# Altium PCB qfc.PcbDoc (part 6 of 13) (continued)
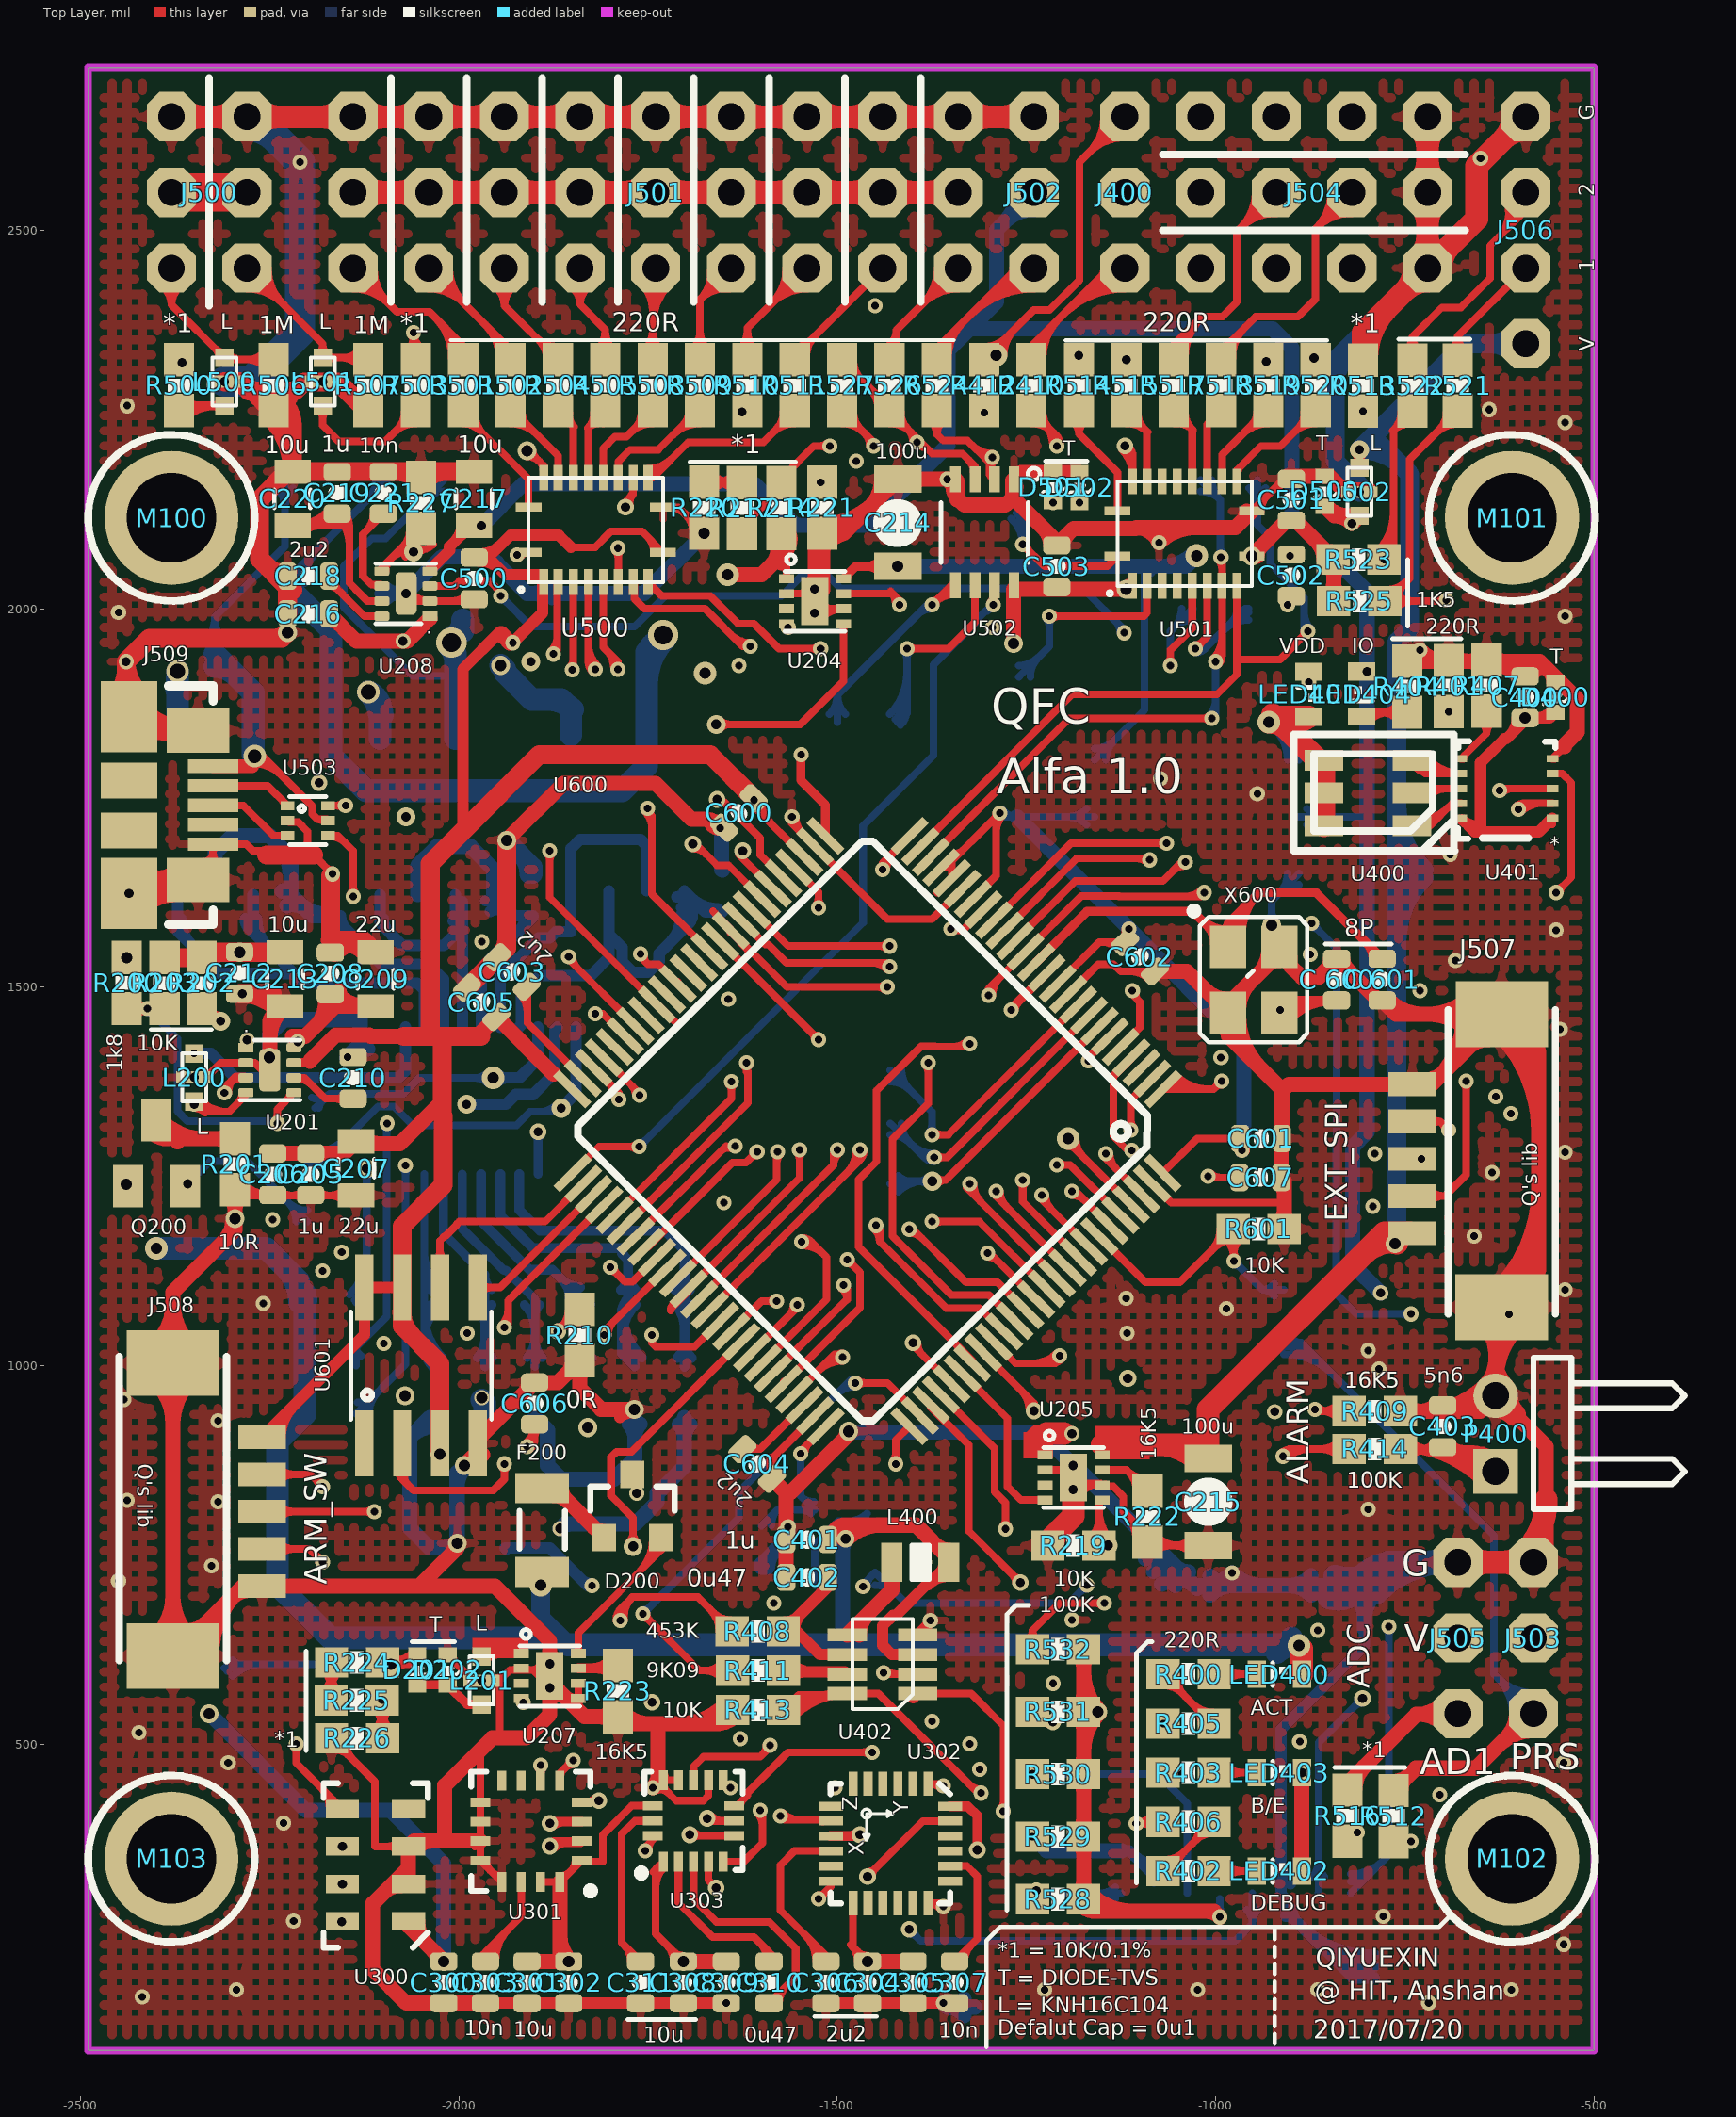
[diagram p0: Top Layer view]
## Nets (pads, with @x,y where several pads share a name; then routed paths per layer and width w, separated by ;. In a path a pad name is that pad's centre, name@x,y a point inside that pad or via, vN(x,y) a via of type N, cw(c..) or ccw(c..) an arc to the next point about the centre after c; other vN are vias at no path point) (continued)
  Mid-Layer 1 w15: v1(-1377,663) -1372,658 -1196,658 v1(-1190,664) ; v1@-1375.23,664.77 ccw(c-1358.89,681.11) -1358.89,658 ; v1@-1375.23,664.77 ccw(c-1358.89,681.11) -1358.89,658 ; v1@-1375.23,664.77 ccw(c-1358.89,681.11) -1358.89,658 ; v1@-1375.23,664.77 ccw(c-1358.89,681.11) -1358.89,658 ; -1210.52,658 ccw(c-1210.52,684.52) v1@-1191.77,665.77 ; -1210.52,658 ccw(c-1210.52,684.52) v1@-1191.77,665.77 ; -1210.52,658 ccw(c-1210.52,684.52) v1@-1191.77,665.77 ; -1210.52,658 ccw(c-1210.52,684.52) v1@-1191.77,665.77
  Mid-Layer 1 w20: v3(-2226.56,1968.44) -2121.56,1968.44 v4(-2070,2020) ; v3(-1768,942) -1514,942 v3(-1485,913) ; v5(-1676,2099.54) -1603.79,2099.54 U204.GND@-1530,2025.75 ; v1(-1646.67,157.44) v1(-1360,157.44) ; -1645,1720 -1335,1720 -1219,1604 -1103.3,1604 -1078.3,1579 v3@-926,1579 ; v1(-901.56,2070) -900.69,2070 -816.69,2154 L502.GND@-810,2154 ; v1(-1655,1710) cw(c-1630.86,1685.86) -1630.86,1720 ; v1(-1655,1710) cw(c-1630.86,1685.86) -1630.86,1720 ; v1(-1655,1710) cw(c-1630.86,1685.86) -1630.86,1720 ; v1(-1655,1710) cw(c-1630.86,1685.86) -1630.86,1720 ; -1572.07,1720 ccw(c-1572.07,1737.07) v1(-1560,1725) ; -1572.07,1720 ccw(c-1572.07,1737.07) v1(-1560,1725) ; -1572.07,1720 ccw(c-1572.07,1737.07) v1(-1560,1725) ; -1572.07,1720 ccw(c-1572.07,1737.07) v1(-1560,1725) ; v1(-1560,1725) ccw(c-1547.93,1737.07) -1547.93,1720 ; v1(-1560,1725) ccw(c-1547.93,1737.07) -1547.93,1720 ; v1(-1560,1725) ccw(c-1547.93,1737.07) -1547.93,1720 ; v1(-1560,1725) ccw(c-1547.93,1737.07) -1547.93,1720 ; -939.28,1579 ccw(c-939.28,1595.28) v3@-927.77,1583.77 ; -939.28,1579 ccw(c-939.28,1595.28) v3@-927.77,1583.77 ; -939.28,1579 ccw(c-939.28,1595.28) v3@-927.77,1583.77 ; -939.28,1579 ccw(c-939.28,1595.28) v3@-927.77,1583.77 ; -818,2152.68 cw(c-810,2144.68) L502.GND@-810,2156 ; -818,2152.68 cw(c-810,2144.68) L502.GND@-810,2156 ; -818,2152.68 cw(c-810,2144.68) L502.GND@-810,2156 ; -818,2152.68 cw(c-810,2144.68) L502.GND@-810,2156
  Mid-Layer 1 w25: v4@-2436,1926 v4(-2436,1623.86) -2418.86,1623.86 v4(-2286.18,1491.18) ; v1(-2167,1649.32) -2123.32,1693 v3@-1938,1693 ; v4@-2436,1626.36 cw(c-2436,1591.01) -2411,1616 ; v4@-2436,1626.36 cw(c-2436,1591.01) -2411,1616 ; v4@-2436,1626.36 cw(c-2436,1591.01) -2411,1616 ; v4@-2436,1626.36 cw(c-2436,1591.01) -2411,1616 ; v4@-2436,1626.36 cw(c-2436,1591.01) -2411,1616 ; v4@-2436,1626.36 cw(c-2436,1591.01) -2411,1616 ; v4@-2436,1626.36 cw(c-2436,1591.01) -2411,1616 ; v4@-2436,1626.36 cw(c-2436,1591.01) -2411,1616
  Mid-Layer 2 w10: v1@-1754,363.37 -1745.87,371.5 ; v1@-1745.87,442 -1745.87,371.5 ; v1@-1757.54,362.54 ccw(c-1785.69,390.69) -1745.87,390.69 ; v1@-1757.54,362.54 ccw(c-1785.69,390.69) -1745.87,390.69 ; v1@-1757.54,362.54 ccw(c-1785.69,390.69) -1745.87,390.69 ; v1@-1757.54,362.54 ccw(c-1785.69,390.69) -1745.87,390.69 ; v1@-1750.46,355.46 ccw(c-1761.55,366.55) -1745.87,366.55 ; v1@-1750.46,355.46 ccw(c-1761.55,366.55) -1745.87,366.55 ; v1@-1750.46,355.46 ccw(c-1761.55,366.55) -1745.87,366.55 ; v1@-1750.46,355.46 ccw(c-1761.55,366.55) -1745.87,366.55 ; v1@-1749.13,360.13 cw(c-1737.26,362.88) -1745.87,371.5 ; v1@-1749.13,360.13 cw(c-1737.26,362.88) -1745.87,371.5 ; v1@-1749.13,360.13 cw(c-1737.26,362.88) -1745.87,371.5 ; -1745.87,425.4 cw(c-1727.4,425.4) v1@-1740.46,438.46 ; -1745.87,425.4 cw(c-1727.4,425.4) v1@-1740.46,438.46 ; -1745.87,425.4 cw(c-1727.4,425.4) v1@-1740.46,438.46 ; -1745.87,425.4 cw(c-1727.4,425.4) v1@-1740.46,438.46
  Mid-Layer 2 w15: v1(-1360,157.44) v1(-1360,285) v1(-1360,444.63) ; v1(-1190,664) -1194.5,668.5 -1194.5,829.84 U205.GND@-1188.19,836.16 ; -1194.5,680.9 ccw(c-1173.1,680.9) v1@-1188.23,665.77 ; -1194.5,680.9 ccw(c-1173.1,680.9) v1@-1188.23,665.77 ; -1194.5,680.9 ccw(c-1173.1,680.9) v1@-1188.23,665.77 ; -1194.5,680.9 ccw(c-1173.1,680.9) v1@-1188.23,665.77 ; -1194.5,817.3 cw(c-1169.33,817.3) U205.GND@-1187.13,835.09 ; -1194.5,817.3 cw(c-1169.33,817.3) U205.GND@-1187.13,835.09 ; -1194.5,817.3 cw(c-1169.33,817.3) U205.GND@-1187.13,835.09 ; -1194.5,817.3 cw(c-1169.33,817.3) U205.GND@-1187.13,835.09
  Mid-Layer 2 w20: v3(-2296,1194) -2296,1316 -2269,1343 -2269,1388.66 v3(-2250.5,1407.16) ; v1(-1355,2170.88) -1355,2210 v1(-1305.93,2259.07) ; L502.GND@-810,2154 -730,2074 v1(-730,1945)
  Bottom Layer w10: GND..P$1@-1090,2110 -1090,2102 v1(-1075,2087) ; v3(-926,1582) -926,1614 GND.P$1@-890,1650 ; GND..P$1@-1083.54,2095.54 cw(c-1092.07,2087) v1@-1080,2087 ; GND..P$1@-1083.54,2095.54 ccw(c-1075,2104.07) v1@-1075,2092 ; GND..P$1@-1083.54,2095.54 cw(c-1092.07,2087) v1@-1080,2087 ; GND..P$1@-1083.54,2095.54 ccw(c-1075,2104.07) v1@-1075,2092 ; GND..P$1@-1083.54,2095.54 cw(c-1092.07,2087) v1@-1080,2087 ; GND..P$1@-1083.54,2095.54 ccw(c-1075,2104.07) v1@-1075,2092 ; GND..P$1@-1083.54,2095.54 cw(c-1092.07,2087) v1@-1080,2087 ; GND..P$1@-1083.54,2095.54 ccw(c-1075,2104.07) v1@-1075,2092 ; v3@-931.3,1587.3 ccw(c-944.11,1600.11) -926,1600.11 ; v3@-931.3,1587.3 ccw(c-944.11,1600.11) -926,1600.11 ; v3@-931.3,1587.3 ccw(c-944.11,1600.11) -926,1600.11 ; v3@-931.3,1587.3 ccw(c-944.11,1600.11) -926,1600.11 ; -926,1600.11 ccw(c-907.89,1600.11) v3@-920.7,1587.3 ; -926,1600.11 ccw(c-907.89,1600.11) v3@-920.7,1587.3 ; -926,1600.11 ccw(c-907.89,1600.11) v3@-920.7,1587.3 ; -926,1600.11 ccw(c-907.89,1600.11) v3@-920.7,1587.3 ; -915.61,1624.39 cw(c-890,1598.79) GND.P$1@-890,1635 ; -915.61,1624.39 ccw(c-941.21,1650) GND.P$1@-905,1650 ; -915.61,1624.39 cw(c-890,1598.79) GND.P$1@-890,1635 ; -915.61,1624.39 ccw(c-941.21,1650) GND.P$1@-905,1650 ; -915.61,1624.39 cw(c-890,1598.79) GND.P$1@-890,1635 ; -915.61,1624.39 ccw(c-941.21,1650) GND.P$1@-905,1650 ; -915.61,1624.39 cw(c-890,1598.79) GND.P$1@-890,1635 ; -915.61,1624.39 ccw(c-941.21,1650) GND.P$1@-905,1650
  Bottom Layer w15: -803.32,652 -803.32,629.68 -913.5,519.5 -913.5,301.18 U504.6@-907.32,295 -907.32,279.49 -818.82,191 U504.6@-790.32,191 ; -913.5,344.45 ccw(c-871.87,344.45) U504.6@-901.31,315.01 ; -913.5,344.45 ccw(c-871.87,344.45) U504.6@-901.31,315.01 ; -913.5,344.45 ccw(c-871.87,344.45) U504.6@-901.31,315.01 ; U504.6@-907.32,272.5 cw(c-907.32,255.61) U504.6@-895.38,267.55 ; U504.6@-907.32,272.5 cw(c-907.32,255.61) U504.6@-895.38,267.55 ; U504.6@-907.32,272.5 cw(c-907.32,255.61) U504.6@-895.38,267.55 ; U504.6@-898.82,281 ccw(c-874.66,281) -891.74,263.92 ; U504.6@-898.82,281 ccw(c-874.66,281) -891.74,263.92 ; U504.6@-898.82,281 ccw(c-874.66,281) -891.74,263.92 ; -888.31,260.49 ccw(c-792.93,355.87) U504.6@-790.66,221 ; -888.31,260.49 ccw(c-792.93,355.87) U504.6@-790.66,221 ; -888.31,260.49 ccw(c-792.93,355.87) U504.6@-790.66,221 ; -863.3,235.47 ccw(c-792.1,306.67) U504.6@-790.41,206 ; -863.3,235.47 ccw(c-792.1,306.67) U504.6@-790.41,206 ; -863.3,235.47 ccw(c-792.1,306.67) U504.6@-790.41,206 ; -838.29,210.46 ccw(c-791.27,257.48) U504.6@-790.16,191 ; -838.29,210.46 ccw(c-791.27,257.48) U504.6@-790.16,191 ; -838.29,210.46 ccw(c-791.27,257.48) U504.6@-790.16,191
  Bottom Layer w20: v3(-2250.5,1407.16) -2250.5,1437.5 -2231,1457 -2130.5,1457 -2130.5,1424.5 v1(-2147.44,1407.56) ; C201.P$2@-2102,2020 -2070.63,2020 -2022.13,2068.5 -1957.5,2068.5 -1950,2061 -1950,2059.82 -1910.18,2020 -1755.54,2020 v5(-1676,2099.54) ; R218.1@-2032,931.54 -2038.46,931.54 -2065,905 -2065,785 -2039.01,759.01 B600.-@-2002.5,759.01 -2002.5,858.5 v3(-1993,868) ; R215.1@-1900,931.54 -1883,914.54 -1883,868 -1865,850 -1795,850 -1767.5,877.5 -1767.5,931.04 R212.1@-1768,931.54 v3(-1768,942) ; v1@-1653,1708 -1653,1655.32 C200.P$1@-1652,1654.32 ; C608.P$2@-1593.08,733.18 C608.P$2@-1600,733.18 -1600,737.77 -1565,772.77 v1(-1565,787) ; v3@-1484,912 -1232.28,912 U205.GND@-1188.19,867.9 -1186.54,867.9 -1027.84,709.21 U504.6@-853.32,709.21 -803.32,709.21 ; U504.6@-1318,152 v1@-1354.56,152 ; -1071.38,752.74 cw(c-1114.91,709.21) U504.6@-1053.34,709.21 ; U504.6@-1053.27,734.64 ccw(c-1035.34,752.56) -1035.34,727.21 ; -1019.04,709.21 ccw(c-1019.04,766.53) v1(-978.5,726) ccw(c-937.97,766.53) -937.97,709.21 ; -1007.62,696.48 cw(c-976.89,665.76) -976.89,709.21 cw(c-976.89,752.67) -1007.62,721.94 ; U504.6@-823.54,696.48 ccw(c-854.27,665.76) -854.27,709.21 ccw(c-854.27,752.67) U504.6@-823.54,721.94 ; -816.04,696.48 cw(c-846.77,665.76) -803.32,665.76 cw(c-759.86,665.76) -790.59,696.48 ; -803.32,652 -803.32,709.21 ; v1@-2148.66,1406.34 cw(c-2120.5,1378.17) U206.13@-2120.5,1418 ; v1@-2148.66,1406.34 cw(c-2120.5,1378.17) U206.13@-2120.5,1418 ; v1@-2148.66,1406.34 cw(c-2120.5,1378.17) U206.13@-2120.5,1418 ; v1@-2148.66,1406.34 cw(c-2120.5,1378.17) U206.13@-2120.5,1418 ; C201.P$2@-2096.34,2014.34 cw(c-2082.69,2000.69) -2082.69,2020 ; C201.P$2@-2096.34,2014.34 cw(c-2082.69,2000.69) -2082.69,2020 ; C201.P$2@-2096.34,2014.34 cw(c-2082.69,2000.69) -2082.69,2020 ; C201.P$2@-2096.34,2014.34 cw(c-2082.69,2000.69) -2082.69,2020 ; C201.P$2@-2096.34,2025.66 ccw(c-2082.69,2039.31) -2082.69,2020 ; C201.P$2@-2096.34,2025.66 ccw(c-2082.69,2039.31) -2082.69,2020 ; C201.P$2@-2096.34,2025.66 ccw(c-2082.69,2039.31) -2082.69,2020 ; C201.P$2@-2096.34,2025.66 ccw(c-2082.69,2039.31) -2082.69,2020 ; -2063.52,906.48 cw(c-2032,874.97) R218.1@-2032,919.54 ; -2063.52,906.48 cw(c-2032,874.97) R218.1@-2032,919.54 ; -2063.52,906.48 cw(c-2032,874.97) R218.1@-2032,919.54 ; -2063.52,906.48 cw(c-2032,874.97) R218.1@-2032,919.54 ; -2022.5,759.01 ccw(c-2022.5,785.5) B600.-@-2003.77,766.77 ; -2022.5,759.01 ccw(c-2022.5,785.5) B600.-@-2003.77,766.77 ; -2022.5,759.01 ccw(c-2022.5,785.5) B600.-@-2003.77,766.77 ; -2022.5,759.01 ccw(c-2022.5,785.5) B600.-@-2003.77,766.77 ; -2002.5,839.04 cw(c-1964.04,839.04) v3@-1991.23,866.23 ; -2002.5,839.04 cw(c-1964.04,839.04) v3@-1991.23,866.23 ; -2002.5,839.04 cw(c-1964.04,839.04) v3@-1991.23,866.23 ; -2002.5,839.04 cw(c-1964.04,839.04) v3@-1991.23,866.23 ; -1901.31,2020 cw(c-1901.31,2000.69) C203.P$2@-1887.66,2014.34 ; -1901.31,2020 ccw(c-1901.31,2039.31) C203.P$2@-1887.66,2025.66 ; -1901.31,2020 cw(c-1901.31,2000.69) C203.P$2@-1887.66,2014.34 ; -1901.31,2020 ccw(c-1901.31,2039.31) C203.P$2@-1887.66,2025.66 ; -1901.31,2020 cw(c-1901.31,2000.69) C203.P$2@-1887.66,2014.34 ; -1901.31,2020 ccw(c-1901.31,2039.31) C203.P$2@-1887.66,2025.66 ; -1901.31,2020 cw(c-1901.31,2000.69) C203.P$2@-1887.66,2014.34 ; -1901.31,2020 ccw(c-1901.31,2039.31) C203.P$2@-1887.66,2025.66 ; C203.P$2@-1876.34,2014.34 cw(c-1862.69,2000.69) -1862.69,2020 ; C203.P$2@-1876.34,2014.34 cw(c-1862.69,2000.69) -1862.69,2020 ; C203.P$2@-1876.34,2014.34 cw(c-1862.69,2000.69) -1862.69,2020 ; C203.P$2@-1876.34,2014.34 cw(c-1862.69,2000.69) -1862.69,2020 ; C203.P$2@-1876.34,2025.66 ccw(c-1862.69,2039.31) -1862.69,2020 ; C203.P$2@-1876.34,2025.66 ccw(c-1862.69,2039.31) -1862.69,2020 ; C203.P$2@-1876.34,2025.66 ccw(c-1862.69,2039.31) -1862.69,2020 ; C203.P$2@-1876.34,2025.66 ccw(c-1862.69,2039.31) -1862.69,2020 ; R212.1@-1775.07,922.47 cw(c-1793.35,904.19) -1767.5,904.19 ; R212.1@-1775.07,922.47 cw(c-1793.35,904.19) -1767.5,904.19 ; R212.1@-1775.07,922.47 cw(c-1793.35,904.19) -1767.5,904.19 ; R212.1@-1775.07,922.47 cw(c-1793.35,904.19) -1767.5,904.19 ; -1767.5,906.6 cw(c-1745.07,906.6) R212.1@-1760.93,922.47 ; -1767.5,906.6 cw(c-1745.07,906.6) R212.1@-1760.93,922.47 ; -1767.5,906.6 cw(c-1745.07,906.6) R212.1@-1760.93,922.47 ; -1767.5,906.6 cw(c-1745.07,906.6) R212.1@-1760.93,922.47 ; C608.P$2@-1592,733.18 cw(c-1561.6,733.18) -1583.1,754.68 ; C608.P$2@-1592,733.18 cw(c-1561.6,733.18) -1583.1,754.68 ; C608.P$2@-1592,733.18 cw(c-1561.6,733.18) -1583.1,754.68 ; C608.P$2@-1592,733.18 cw(c-1561.6,733.18) -1583.1,754.68 ; v1(-1360,157.44) ccw(c-1346.87,170.57) -1346.87,152 ; v1(-1360,157.44) ccw(c-1346.87,170.57) -1346.87,152 ; v1(-1360,157.44) ccw(c-1346.87,170.57) -1346.87,152 ; v1(-1360,157.44) v1@-1354.56,152 ; v1@-1354.56,152 cw(c-1354.56,123.87) U504.6@-1332.27,141.02 ; v1@-1354.56,152 ccw(c-1354.56,180.12) U504.6@-1332.27,162.97 ; v1@-1354.56,152 cw(c-1354.56,123.87) U504.6@-1332.27,141.02 ; v1@-1354.56,152 ccw(c-1354.56,180.12) U504.6@-1332.27,162.97 ; v1@-1354.56,152 cw(c-1354.56,123.87) U504.6@-1332.27,141.02 ; v1@-1354.56,152 ccw(c-1354.56,180.12) U504.6@-1332.27,162.97 ; -1092.78,744.72 cw(c-1078.53,722.16) -1059.66,741.03 ; -1092.78,744.72 cw(c-1078.53,722.16) -1059.66,741.03 ; -1092.78,744.72 cw(c-1078.53,722.16) -1059.66,741.03 ; U504.6@-1082.1,727.81 cw(c-1064.83,700.48) -1041.97,723.34 ; U504.6@-1082.1,727.81 cw(c-1064.83,700.48) -1041.97,723.34 ; U504.6@-1082.1,727.81 cw(c-1064.83,700.48) -1041.97,723.34 ; U504.6@-1071.41,710.9 cw(c-1051.13,678.8) -1024.28,705.65 ; U504.6@-1071.41,710.9 cw(c-1051.13,678.8) -1024.28,705.65 ; U504.6@-1071.41,710.9 cw(c-1051.13,678.8) -1024.28,705.65 ; -904.27,709.21 cw(c-904.27,665.76) U504.6@-873.54,696.48 ; -904.27,709.21 ccw(c-904.27,752.67) U504.6@-873.54,721.94 ; -904.27,709.21 cw(c-904.27,665.76) U504.6@-873.54,696.48 ; -904.27,709.21 ccw(c-904.27,752.67) U504.6@-873.54,721.94 ; -904.27,709.21 cw(c-904.27,665.76) U504.6@-873.54,696.48 ; -904.27,709.21 ccw(c-904.27,752.67) U504.6@-873.54,721.94 ; U504.6@-832.89,696.69 cw(c-803.32,668.04) -803.32,709.21 ; U504.6@-832.89,696.69 cw(c-803.32,668.04) -803.32,709.21 ; U504.6@-832.89,696.69 cw(c-803.32,668.04) -803.32,709.21 ; U504.6@-832.89,721.74 ccw(c-803.32,750.38) -803.32,709.21 ; U504.6@-832.89,721.74 ccw(c-803.32,750.38) -803.32,709.21 ; U504.6@-832.89,721.74 ccw(c-803.32,750.38) -803.32,709.21
  Bottom Layer w25: v3(-1937,1694) -1902,1659 C202.P$1@-1902,1649.32 ; L502.GND@-810,2154 -810,2162.75 -842,2194.75 -842,2311.97 -838,2315.97 -838,2332 J504.GND@-720,2450 ; -1918.23,1675.23 cw(c-1944.14,1649.32) C202.P$1@-1907.5,1649.32 ; -1918.23,1675.23 cw(c-1944.14,1649.32) C202.P$1@-1907.5,1649.32 ; -1918.23,1675.23 cw(c-1944.14,1649.32) C202.P$1@-1907.5,1649.32 ; -1918.23,1675.23 cw(c-1944.14,1649.32) C202.P$1@-1907.5,1649.32 ; -754.14,2415.86 cw(c-720,2381.72) J504.GND@-720,2430 ; -754.14,2415.86 ccw(c-788.28,2450) J504.GND@-740,2450 ; -754.14,2415.86 cw(c-720,2381.72) J504.GND@-720,2430 ; -754.14,2415.86 ccw(c-788.28,2450) J504.GND@-740,2450 ; -754.14,2415.86 cw(c-720,2381.72) J504.GND@-720,2430 ; -754.14,2415.86 ccw(c-788.28,2450) J504.GND@-740,2450 ; -754.14,2415.86 cw(c-720,2381.72) J504.GND@-720,2430 ; -754.14,2415.86 ccw(c-788.28,2450) J504.GND@-740,2450
  Bottom Layer w30: -807.84,721.23 cw(c-762.52,675.92) -762.52,740 ; -803.32,709.21 -772.53,740 ; -786.62,700.02 cw(c-690.1,603.49) J505.GND@-690.1,740 ; J505.GND@-680,740 -772.53,740 ; U504.6@-850.4,692.84 ccw(c-838.91,733.86) -808.79,703.74 ; U504.6@-850.4,692.84 ccw(c-838.91,733.86) -808.79,703.74 ; U504.6@-850.4,692.84 ccw(c-838.91,733.86) -808.79,703.74 ; U504.6@-842.31,721.73 ccw(c-823.03,790.5) -772.53,740 ; U504.6@-842.31,721.73 ccw(c-823.03,790.5) -772.53,740 ; U504.6@-842.31,721.73 ccw(c-823.03,790.5) -772.53,740 ; -722.25,740 cw(c-722.25,697.75) J505.GND@-692.37,727.63 ; -722.25,740 ccw(c-722.25,782.25) J505.GND@-692.37,752.38 ; -722.25,740 cw(c-722.25,697.75) J505.GND@-692.37,727.63 ; -722.25,740 ccw(c-722.25,782.25) J505.GND@-692.37,752.38 ; -722.25,740 cw(c-722.25,697.75) J505.GND@-692.37,727.63 ; -722.25,740 ccw(c-722.25,782.25) J505.GND@-692.37,752.38 ; -722.25,740 cw(c-722.25,697.75) J505.GND@-692.37,727.63 ; -722.25,740 ccw(c-722.25,782.25) J505.GND@-692.37,752.38
  Bottom Layer w35: J500.GND@-2280,2650 J500.GND@-2270,2650
  Bottom Layer w40: L500.GND@-2310,2300 -2275,2300 -2210,2365 v1(-2210,2590) J500.GND@-2270,2650 ; J500.GND@-2280,2637.5 cw(c-2280,2583.18) -2241.59,2621.59 ; J500.GND@-2280,2637.5 cw(c-2280,2583.18) -2241.59,2621.59 ; J500.GND@-2280,2637.5 cw(c-2280,2583.18) -2241.59,2621.59 ; J500.GND@-2280,2637.5 cw(c-2280,2583.18) -2241.59,2621.59
  other v1: -718.5,158 -2418.5,166 -2294,175.2 -1226,175.2 -1024,175.2 -865,175.2 -609,175.2 -540,235.2 -2218.5,266 -778.5,272 -1754,359 -2232,395.2 -2305,475.2 -540,475.2 -2423,515.2 -2450,715.2 -2327,735.2 -798.5,810 -2318.5,820 -2438.5,822 -2318.5,927 -2443,955.2 -784,995.2 -798.5,1020 -1117,1043 -986,1075.2 -2258.5,1082 -1118.5,1089 -538.5,1100 -658.5,1171 -635,1255.2 -538.5,1282 -544.87,1444 -1644,1484 -683,1535.2 -550,1575.2 -690,1675.2 -945,1755.2 -1073,1775.2 -538.5,1990 -2450,1995.2 -538.5,2246 -638.5,2263 -2438.5,2268 -650,2595.2
IO-VDD_5V5: C216.P$1 C217.1 D200.3 IO_5V.P$1 J502.VCC LED402.A LED403.A LED404.A U208.1 U208.4 | length 6345.2
  Top Layer w10: U208.1@-2040,1988.5 U208.1@-2038.5,1990 ; U208.4@-2038.5,2049.53 -2038.5,2051.07 U208.4@-2038.5,2052.51 ; v4(-1970.43,2109.57) C217.1@-1980,2109.57 C217.1@-1981.45,2109.57 ; C217.1@-1981.45,2109.57 cw(c-1981.45,2099.93) C217.1@-1974.19,2106.28 ; C217.1@-1981.45,2109.57 ccw(c-1981.45,2119.2) C217.1@-1974.19,2112.86 ; C217.1@-1981.45,2109.57 cw(c-1981.45,2099.93) C217.1@-1974.19,2106.28 ; C217.1@-1981.45,2109.57 ccw(c-1981.45,2119.2) C217.1@-1974.19,2112.86 ; C217.1@-1981.45,2109.57 cw(c-1981.45,2099.93) C217.1@-1974.19,2106.28 ; C217.1@-1981.45,2109.57 ccw(c-1981.45,2119.2) C217.1@-1974.19,2112.86
  Top Layer w15: U208.4@-2038.5,2051.07 -2012.5,2077.07 -2012.5,2082.05 -1984.98,2109.57 C217.1@-1981.45,2109.57 ; -2004.64,2089.91 ccw(c-2024.3,2109.57) C217.1@-1996.5,2109.57 ; -2004.64,2089.91 ccw(c-2024.3,2109.57) C217.1@-1996.5,2109.57 ; -2004.64,2089.91 ccw(c-2024.3,2109.57) C217.1@-1996.5,2109.57 ; -2004.64,2089.91 ccw(c-2024.3,2109.57) C217.1@-1996.5,2109.57 ; C217.1@-1999.54,2095.01 cw(c-1970.43,2065.9) C217.1@-1970.43,2107.07 ; C217.1@-1999.54,2095.01 cw(c-1970.43,2065.9) C217.1@-1970.43,2107.07 ; C217.1@-1999.54,2095.01 cw(c-1970.43,2065.9) C217.1@-1970.43,2107.07 ; C217.1@-1999.54,2095.01 cw(c-1970.43,2065.9) C217.1@-1970.43,2107.07 ; C217.1@-1992.26,2102.29 cw(c-1977.8,2087.83) C217.1@-1971.23,2107.2 ; C217.1@-1992.26,2102.29 cw(c-1977.8,2087.83) C217.1@-1971.23,2107.2 ; C217.1@-1992.26,2102.29 cw(c-1977.8,2087.83) C217.1@-1971.23,2107.2 ; C217.1@-1992.26,2102.29 cw(c-1977.8,2087.83) C217.1@-1971.23,2107.2
  Top Layer w20: C216.P$1@-2171.44,1993 -2135.44,1957 v4(-2074,1957) ; v4@-2068.5,1957 U208.1@-2038.5,1987 ; LED402.A@-885.98,332 v4(-886,461.98) ; LED404.A@-807,1917 v4(-800,1917) ; C216.P$1@-2171.44,1985 cw(c-2171.44,1965.69) -2157.78,1979.34 ; C216.P$1@-2171.44,1985 cw(c-2171.44,1965.69) -2157.78,1979.34 ; C216.P$1@-2171.44,1985 cw(c-2171.44,1965.69) -2157.78,1979.34 ; C216.P$1@-2171.44,1985 cw(c-2171.44,1965.69) -2157.78,1979.34 ; v4(-2074,1957) ccw(c-2074,1970.27) -2064.62,1960.89 ; v4(-2074,1957) ccw(c-2074,1970.27) -2064.62,1960.89 ; v4(-2074,1957) ccw(c-2074,1970.27) -2064.62,1960.89 ; v4(-2074,1957) ccw(c-2074,1970.27) -2064.62,1960.89
  Mid-Layer 1 w20: v4(-2074,1957) -1970.43,2060.57 v4(-1970.43,2109.57) ; v4@-1765.06,827 -1311.18,827 -1197.18,941 -937,941 ; -930.5,947.5 v4(-782,1096) ; v4(-1765.06,831.06) ccw(c-1755.26,840.85) -1755.26,827 ; v4(-1765.06,831.06) ccw(c-1755.26,840.85) -1755.26,827 ; v4(-1765.06,831.06) ccw(c-1755.26,840.85) -1755.26,827 ; v4(-1765.06,831.06) ccw(c-1755.26,840.85) -1755.26,827 ; v4(-922,939) cw(c-880.96,939) -909.98,968.02 ; v4(-922,939) cw(c-880.96,939) -909.98,968.02 ; v4(-922,939) cw(c-880.96,939) -909.98,968.02 ; v4(-922,939) cw(c-880.96,939) -909.98,968.02
  Mid-Layer 2 w15: v4@-920,937 -941,916 -941,516.98 v4(-886,461.98) ; -929.1,927.9 ccw(c-940.19,939) v4@-924.5,939 ; -929.1,927.9 ccw(c-940.19,939) v4@-924.5,939 ; -929.1,927.9 ccw(c-940.19,939) v4@-924.5,939 ; -929.1,927.9 ccw(c-940.19,939) v4@-924.5,939
  Bottom Layer w10: IO_5V.P$1@-890,1725 -810,1725 -806,1721 ; IO_5V.P$1@-879.39,1714.39 cw(c-853.79,1688.79) -853.79,1725 ; IO_5V.P$1@-879.39,1714.39 cw(c-853.79,1688.79) -853.79,1725 ; IO_5V.P$1@-879.39,1714.39 cw(c-853.79,1688.79) -853.79,1725 ; IO_5V.P$1@-879.39,1714.39 cw(c-853.79,1688.79) -853.79,1725 ; IO_5V.P$1@-879.39,1735.61 ccw(c-853.79,1761.21) -853.79,1725 ; IO_5V.P$1@-879.39,1735.61 ccw(c-853.79,1761.21) -853.79,1725 ; IO_5V.P$1@-879.39,1735.61 ccw(c-853.79,1761.21) -853.79,1725 ; IO_5V.P$1@-879.39,1735.61 ccw(c-853.79,1761.21) -853.79,1725
  Bottom Layer w20: v4(-1970.43,2109.57) -1915,2165 -1610,2165 -1555,2110 -1460,2110 -1354,2216 -1354,2341 -1325,2370 ; J502.VCC@-1240,2550 -1289.5,2500.5 -1289.5,2405.5 -1325,2370 ; -800,1715 -800,1308.18 -819,1289.18 -819,1133 v4(-782,1096) ; -800,1721 v4(-800,1917) -800,2022.44 -899.5,2121.94 -899.5,2344.5 -925,2370 -1325,2370 ; -1278.41,2511.59 cw(c-1240,2473.18) J502.VCC@-1240,2527.5 ; -1278.41,2511.59 ccw(c-1316.82,2550) J502.VCC@-1262.5,2550 ; -1278.41,2511.59 cw(c-1240,2473.18) J502.VCC@-1240,2527.5 ; -1278.41,2511.59 ccw(c-1316.82,2550) J502.VCC@-1262.5,2550 ; -1278.41,2511.59 cw(c-1240,2473.18) J502.VCC@-1240,2527.5 ; -1278.41,2511.59 ccw(c-1316.82,2550) J502.VCC@-1262.5,2550 ; -1278.41,2511.59 cw(c-1240,2473.18) J502.VCC@-1240,2527.5 ; -1278.41,2511.59 ccw(c-1316.82,2550) J502.VCC@-1262.5,2550
NetC200_P$2: C200.P$2 U200.1 U200.3 U206.21 | length 1194.8
  Bottom Layer w15: U206.21@-1920.5,1447 -1917.5,1450 -1917.5,1491.51 -1894.01,1515 -1826,1515 -1802,1539 -1802,1562 ; U200.3@-1802,1587.65 U200.3@-1802,1627 -1802,1562 ; C200.P$2@-1652,1599.2 -1674.2,1599.2 U200.1@-1702,1627 -1702,1578 -1735.5,1544.5 -1735.5,1533.85 -1749.85,1519.5 -1770.15,1519.5 -1784.5,1533.85 -1784.5,1552.5 -1798,1566 -1802,1562 ; -1722.06,1557.94 ccw(c-1759.62,1595.5) U200.1@-1706.5,1595.5 ; -1722.06,1557.94 ccw(c-1759.62,1595.5) U200.1@-1706.5,1595.5 ; -1722.06,1557.94 ccw(c-1759.62,1595.5) U200.1@-1706.5,1595.5 ; -1722.06,1557.94 ccw(c-1759.62,1595.5) U200.1@-1706.5,1595.5 ; U200.1@-1712.17,1618.88 cw(c-1704.03,1600.17) -1689.6,1614.6 ; U200.1@-1712.17,1618.88 cw(c-1704.03,1600.17) -1689.6,1614.6 ; U200.1@-1712.17,1618.88 cw(c-1704.03,1600.17) -1689.6,1614.6 ; U200.1@-1712.17,1618.88 cw(c-1704.03,1600.17) -1689.6,1614.6 ; U200.1@-1706.19,1605.13 cw(c-1694.59,1578.47) -1674.03,1599.03 ; U200.1@-1706.19,1605.13 cw(c-1694.59,1578.47) -1674.03,1599.03 ; U200.1@-1706.19,1605.13 cw(c-1694.59,1578.47) -1674.03,1599.03 ; U200.1@-1706.19,1605.13 cw(c-1694.59,1578.47) -1674.03,1599.03 ; U200.1@-1696.45,1583.55 ccw(c-1708.4,1595.5) U200.1@-1691.5,1595.5 ; U200.1@-1696.45,1583.55 ccw(c-1708.4,1595.5) U200.1@-1691.5,1595.5 ; U200.1@-1696.45,1583.55 ccw(c-1708.4,1595.5) U200.1@-1691.5,1595.5 ; U200.1@-1696.45,1583.55 ccw(c-1708.4,1595.5) U200.1@-1691.5,1595.5 ; U200.1@-1693.34,1618.34 ccw(c-1658,1653.68) C200.P$2@-1658,1603.7 ; U200.1@-1693.34,1618.34 ccw(c-1658,1653.68) C200.P$2@-1658,1603.7 ; U200.1@-1693.34,1618.34 ccw(c-1658,1653.68) C200.P$2@-1658,1603.7 ; U200.1@-1693.34,1618.34 ccw(c-1658,1653.68) C200.P$2@-1658,1603.7
NetC202_P$2: C202.P$2 U202.1 U202.3 U206.19 | length 828.3
  Bottom Layer w15: U206.19@-1970.5,1447 -1970.5,1524.5 -1902,1593 C202.P$2@-1902,1594.2 -1926.7,1594.2 U202.1@-1954.5,1622 ; U202.1@-1964.67,1613.88 cw(c-1956.53,1595.17) -1942.1,1609.6 ; U202.1@-1964.67,1613.88 cw(c-1956.53,1595.17) -1942.1,1609.6 ; U202.1@-1964.67,1613.88 cw(c-1956.53,1595.17) -1942.1,1609.6 ; U202.1@-1964.67,1613.88 cw(c-1956.53,1595.17) -1942.1,1609.6 ; U202.1@-1958.69,1600.13 cw(c-1947.09,1573.47) -1926.53,1594.03 ; U202.1@-1958.69,1600.13 cw(c-1947.09,1573.47) -1926.53,1594.03 ; U202.1@-1958.69,1600.13 cw(c-1947.09,1573.47) -1926.53,1594.03 ; U202.1@-1958.69,1600.13 cw(c-1947.09,1573.47) -1926.53,1594.03 ; -1920.78,1574.22 ccw(c-1940.75,1594.2) C202.P$2@-1912.5,1594.2 ; -1920.78,1574.22 ccw(c-1940.75,1594.2) C202.P$2@-1912.5,1594.2 ; -1920.78,1574.22 ccw(c-1940.75,1594.2) C202.P$2@-1912.5,1594.2 ; -1920.78,1574.22 ccw(c-1940.75,1594.2) C202.P$2@-1912.5,1594.2
  Bottom Layer w20: U202.3@-2054.5,1622 -2054.5,1660.5 -2029.5,1685.5 -1984.22,1685.5 -1954.5,1655.79 U202.1@-1954.5,1622 ; U202.3@-2052.5,1653.5 cw(c-2030.78,1653.5) -2046.14,1668.86 ; U202.3@-2052.5,1653.5 cw(c-2030.78,1653.5) -2046.14,1668.86 ; U202.3@-2052.5,1653.5 cw(c-2030.78,1653.5) -2046.14,1668.86 ; U202.3@-2052.5,1653.5 cw(c-2030.78,1653.5) -2046.14,1668.86
NetC204_P$2: C204.P$2 U203.1 U203.3 U206.17 | length 1098.6
  Bottom Layer w15: C204.P$2@-2167,1594.2 -2102.8,1530 -2040,1530 -2020.5,1510.5 U206.17@-2020.5,1447 ; C204.P$2@-2156.5,1594.2 ccw(c-2131.15,1594.2) -2149.07,1576.28 ; C204.P$2@-2156.5,1594.2 ccw(c-2131.15,1594.2) -2149.07,1576.28 ; C204.P$2@-2156.5,1594.2 ccw(c-2131.15,1594.2) -2149.07,1576.28 ; C204.P$2@-2156.5,1594.2 ccw(c-2131.15,1594.2) -2149.07,1576.28
  Bottom Layer w20: U203.3@-2322,1622 -2322,1678 -2300,1700 -2250,1700 -2222,1672 U203.1@-2222,1622 -2194.2,1594.2 C204.P$2@-2167,1594.2 ; -2238.49,1688.49 cw(c-2273.48,1653.5) U203.1@-2224,1653.5 ; -2238.49,1688.49 cw(c-2273.48,1653.5) U203.1@-2224,1653.5 ; -2238.49,1688.49 cw(c-2273.48,1653.5) U203.1@-2224,1653.5 ; -2238.49,1688.49 cw(c-2273.48,1653.5) U203.1@-2224,1653.5 ; U203.1@-2233.99,1626.56 cw(c-2230.99,1617.53) U203.1@-2224.26,1624.26 ; U203.1@-2233.99,1626.56 cw(c-2230.99,1617.53) U203.1@-2224.26,1624.26 ; U203.1@-2233.99,1626.56 cw(c-2230.99,1617.53) U203.1@-2224.26,1624.26 ; U203.1@-2233.99,1626.56 cw(c-2230.99,1617.53) U203.1@-2224.26,1624.26 ; U203.1@-2227.68,1607.58 cw(c-2219.56,1583.16) -2201.36,1601.36 ; U203.1@-2227.68,1607.58 cw(c-2219.56,1583.16) -2201.36,1601.36 ; U203.1@-2227.68,1607.58 cw(c-2219.56,1583.16) -2201.36,1601.36 ; U203.1@-2227.68,1607.58 cw(c-2219.56,1583.16) -2201.36,1601.36 ; U203.1@-2211.4,1611.4 ccw(c-2174.65,1648.15) C204.P$2@-2173.06,1596.2 ; U203.1@-2211.4,1611.4 ccw(c-2174.65,1648.15) C204.P$2@-2173.06,1596.2 ; U203.1@-2211.4,1611.4 ccw(c-2174.65,1648.15) C204.P$2@-2173.06,1596.2 ; U203.1@-2211.4,1611.4 ccw(c-2174.65,1648.15) C204.P$2@-2173.06,1596.2
NetC210_P$1: C210.P$1 U201.6 | length 340.9
  Top Layer w10: U201.6@-2218,1380.16 -2204.16,1380.16 -2176.44,1352.44 C210.P$1@-2140,1352.44 ; U201.6@-2214,1379.16 cw(c-2214,1352.98) -2195.49,1371.49 ; U201.6@-2214,1379.16 cw(c-2214,1352.98) -2195.49,1371.49 ; U201.6@-2214,1379.16 cw(c-2214,1352.98) -2195.49,1371.49 ; U201.6@-2214,1379.16 cw(c-2214,1352.98) -2195.49,1371.49 ; U201.6@-2213.75,1379.19 cw(c-2209.95,1364.52) -2199.23,1375.24 ; U201.6@-2213.75,1379.19 cw(c-2209.95,1364.52) -2199.23,1375.24 ; U201.6@-2213.75,1379.19 cw(c-2209.95,1364.52) -2199.23,1375.24 ; U201.6@-2213.75,1379.19 cw(c-2209.95,1364.52) -2199.23,1375.24 ; -2162.9,1352.44 cw(c-2162.9,1335.54) C210.P$1@-2150.95,1347.49 ; -2162.9,1352.44 ccw(c-2162.9,1369.34) C210.P$1@-2150.95,1357.39 ; -2162.9,1352.44 cw(c-2162.9,1335.54) C210.P$1@-2150.95,1347.49 ; -2162.9,1352.44 ccw(c-2162.9,1369.34) C210.P$1@-2150.95,1357.39 ; -2162.9,1352.44 cw(c-2162.9,1335.54) C210.P$1@-2150.95,1347.49 ; -2162.9,1352.44 ccw(c-2162.9,1369.34) C210.P$1@-2150.95,1357.39 ; -2162.9,1352.44 cw(c-2162.9,1335.54) C210.P$1@-2150.95,1347.49 ; -2162.9,1352.44 ccw(c-2162.9,1369.34) C210.P$1@-2150.95,1357.39